# Altium PCB SD卡.PcbDoc
Units mil, origin at the board's own origin, x right, y up, seen from the top; angles counter-clockwise.
Board outline 1775 x 1385 mil, 2 copper layers (Top Layer, Bottom Layer); 10 components, 9 nets, 43 pads, 4 vias.
Unrouted connection lines stored in the file: 1.
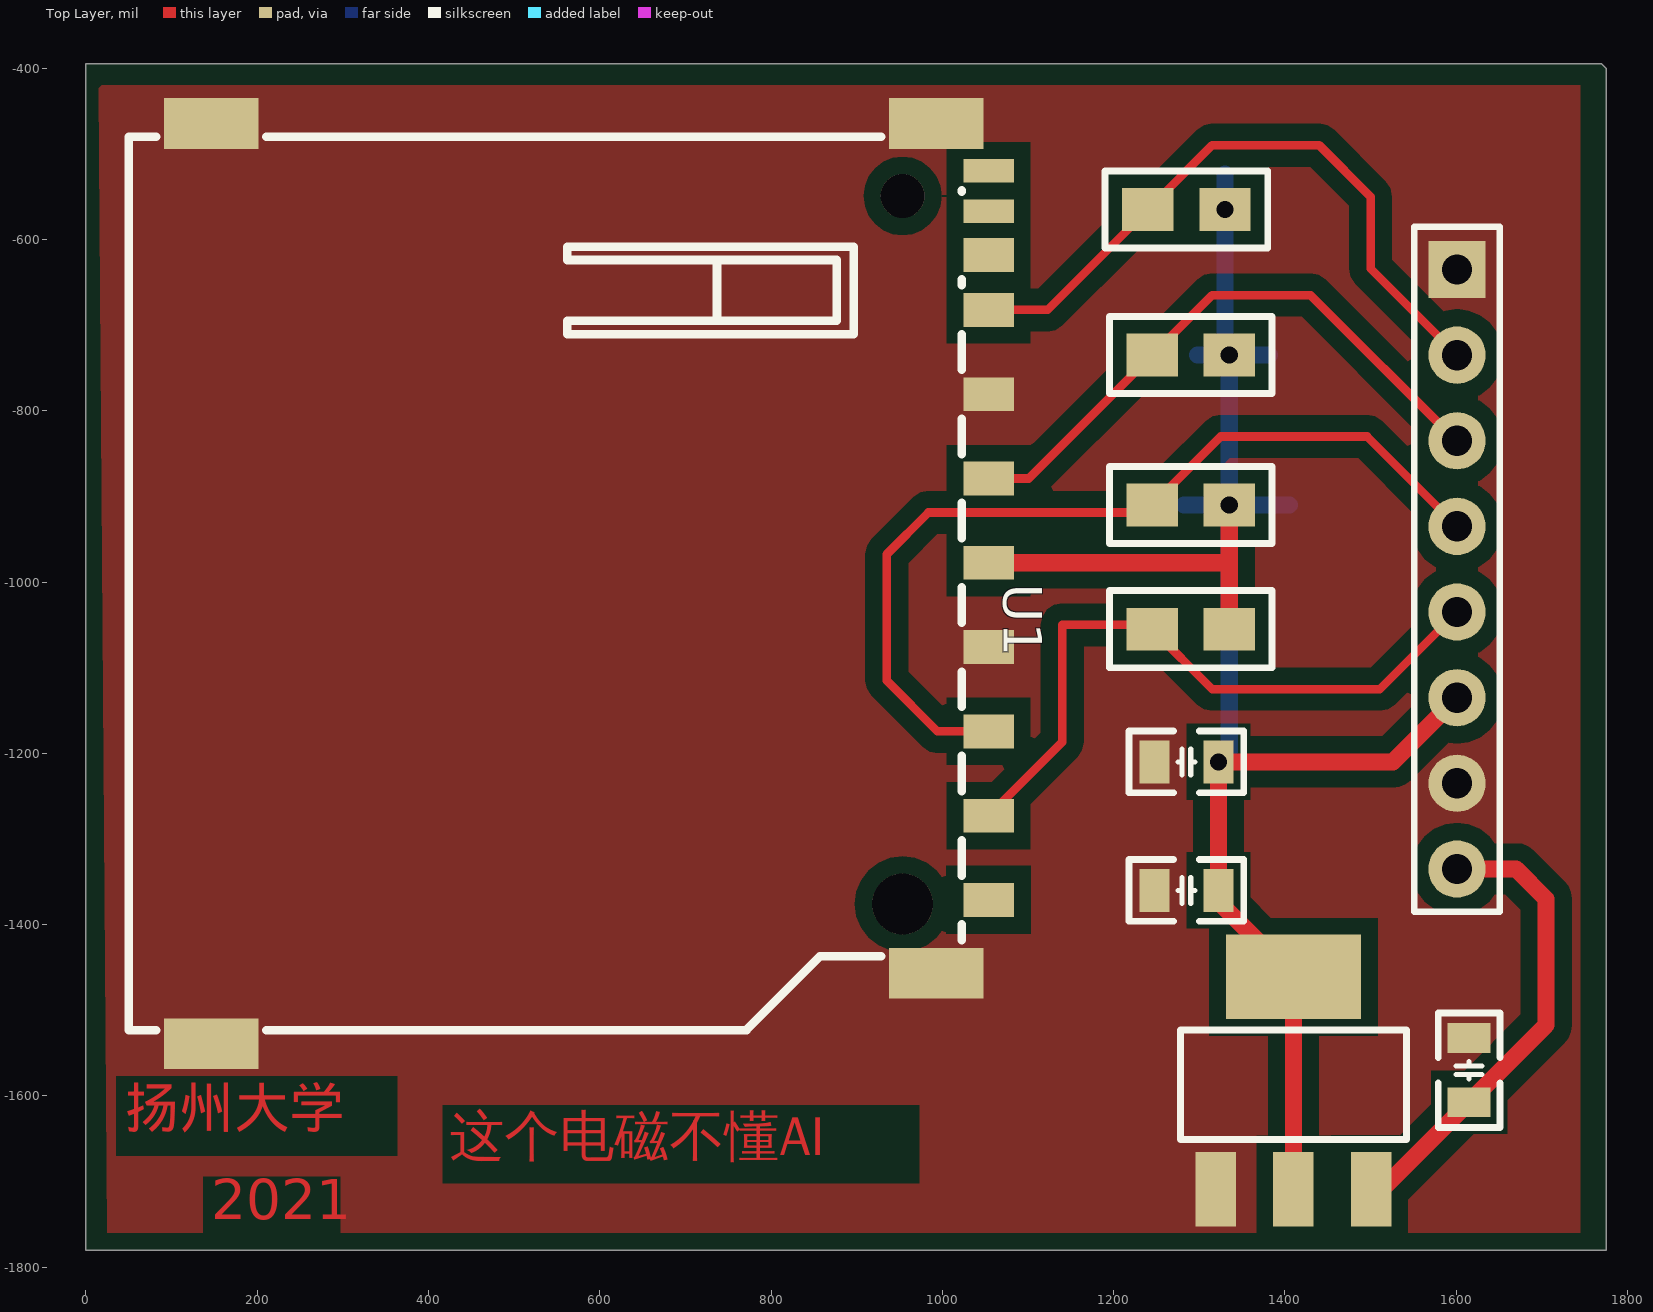
[diagram p0: Top Layer view]
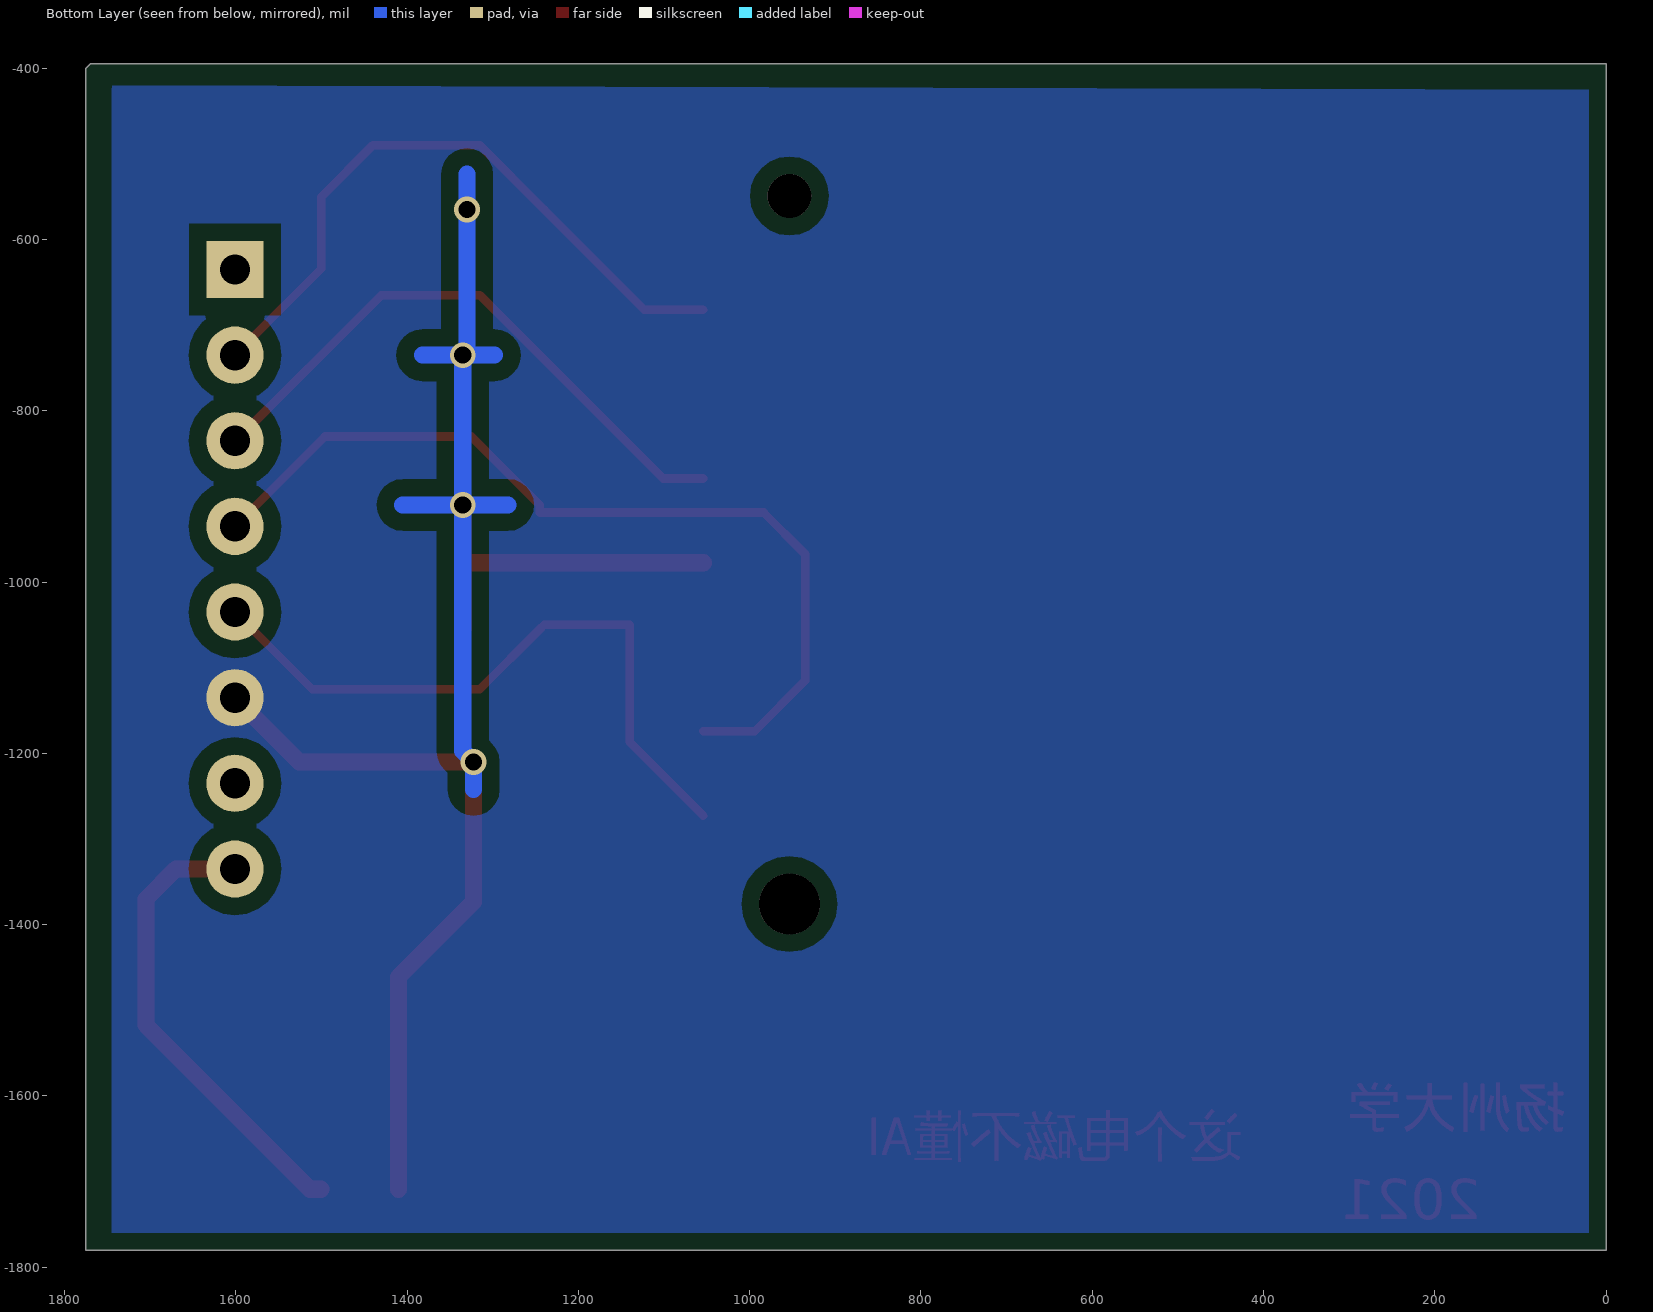
[diagram p1: Bottom Layer view, seen from below]

## Layer stack, top to bottom
Top Solder: solder mask 0.4, Solder Resist, Dk 3.5
Top Layer: signal copper 1.4
Dielectric 1: dielectric 12.6, FR-4, Dk 4.8
Bottom Layer: signal copper 1.4
Bottom Solder: solder mask 0.4, Solder Resist, Dk 3.5

## Board outline
0,-1780 1775,-1780 1775,-400 1770,-395 0,-395

## Design rules (kind name [scope] priority, off if disabled: settings)
Clearance [All] p1: gap=10 ignorepadtopadclearanceinfootprint=FALSE except(0: Arc-Hole Track-Hole SMDPad-Hole THPad-Hole Via-Hole Fill-Hole Poly-Hole Region-Hole Text-Hole; 20: Arc-Poly Track-Poly SMDPad-Poly THPad-Poly Via-Poly Fill-Poly Poly-Poly)
PlaneConnect [All] p1: planeconnectstyle=Direct reliefexpansion=20 reliefentries=4 reliefconductorwidth=10 reliefairgap=10
PolygonConnect [All] p1: connectstyle=Direct reliefconductorwidth=10 reliefentries=4 polygonreliefangle="90 Angle" airgapwidth=10
RoutingVias [All] p1: holewidth=28 width=50 viastyle="Through Hole" minholewidth=28 minwidth=50 maxholewidth=28 maxwidth=50
SolderMaskExpansion [All] p1: expansion=4
Width [All] p1: maxlimit=30 minlimit=10 preferedwidth=10 minimp=50.000000 maximp=50.000000 favimp=50.000000
29 further rules are at their usual default settings.

## Components (designator, comment, footprint, x,y, rotation, side; value= is the part's Value field where it differs from the comment)
U1 "SD-SMD_SD-002" SD-SMD_SD-002 600.2,-1001.93 r270 top
? "Comment" AMS1117 1410,-1585 r0 top
? "Comment" "C 0805_L"#1 1615,-1570 r90 top
? "Comment" "C 0805_L"#2 1285,-1360 r0 top
? "Comment" "C 0805_L"#2 1285,-1210 r0 top
? "Comment" 0805R 1245,-1055 r0 top
? "Comment" 0805R 1245,-910 r0 top
? "Comment" 0805R 1245,-735 r0 top
? "Comment" 0805R 1240,-565 r0 top
? "Comment" HDR2.54-LI-8P 1600.98,-985 r270 top

## Footprints (in the part's own frame and the unit in brackets; to place one, negate y for a bottom-side part, rotate by r counter-clockwise, add the part's x,y. Pads: shape width x height; smd on the part's side, far side on the other; paste and mask are expansions set on the pad)
0805R [mil]
  rect 60x50 smd: 1(0,0) 2(90,0)
  silkscreen extent -50,-45 140,45, body extent 5,-25 83,25, height 22
AMS1117 [mm]
  rect 1.2x2.2 smd: 1(-2.3,-3.15) 2(0,-3.15) 3(2.3,-3.15)
  rect 4x2.5 smd: 4(0,3.15)
  silkscreen extent -3.35,-1.67 3.35,1.58, body extent -3.28,-3.66 3.22,3.3, height 1.7
"C 0805_L"#1 [mil] "无极性贴片电容"
  rect 35x50 smd: 2(37.4,0) 3(-37.4,0)
  silkscreen extent -67,-36 67,36, body extent -39,-24 39,24, height 20
"C 0805_L"#2 [mil] "无极性贴片电容"
  rect 35x50 smd: 1(-37.4,0) 2(37.4,0)
  silkscreen extent -67,-36 67,36, body extent -39,-24 39,24, height 20
HDR2.54-LI-8P [mm] "排针，8脚"
  rect 1.7x1.7 hole 0.9: 1(-8.89,0)
  round 1.7 hole 0.9: 2(-6.35,0) 3(-3.81,0) 4(-1.27,0) 5(1.27,0) 6(3.81,0) 7(6.35,0) 8(8.89,0)
  silkscreen extent -10.16,-1.27 10.16,1.27, body extent -10.16,-1.27 10.16,1.27, height 8.5
SD-SMD_SD-002 [mm]
  rect 1x1.5 smd: 1(6.88,11.525) 2(4.38,11.525) 3(1.88,11.525) 4(-0.62,11.525) 5(-3.12,11.525) 6(-5.62,11.525) 7(-8.12,11.525) 8(-9.75,11.525) 9(9.38,11.525)
  rect 0.7x1.5 smd: 10(-12.25,11.525) 11(-11.05,11.525)
  rect 1.5x2.8 smd: 12(-13.65,9.975) 12(-13.65,-11.525) 12(11.55,9.975) 12(13.65,-11.525)
  round 1.3 hole 1.3 unplated: ""(-11.5,8.975)
  round 1.8 hole 1.8 unplated: ""(9.5,8.975)
  silkscreen extent -13.25,-13.98 13.25,10.72

## Via types
v1: diameter 30, hole 20, Top Layer to Bottom Layer, 4 vias

## Nets (pads, with @x,y where several pads share a name; then routed paths per layer and width w, separated by ;. In a path a pad name is that pad's centre, name@x,y a point inside that pad or via, vN(x,y) a via of type N, cw(c..) or ccw(c..) an arc to the next point about the centre after c; other vN are vias at no path point)
1: ?.1@1245,-1055 ?.5 U1.1 | length 787.8
  Top Layer w10: U1.1 1140,-1186.73 1140,-1050 1240,-1050 1245,-1055 1315,-1125 1510.98,-1125 ?.5
2: ?.2@1322.4,-1210 ?.2@1322.4,-1360 ?.2@1330,-565 ?.2@1335,-735 ?.2@1335,-910 ?.2@1335,-1055 ?.2@1410,-1709.02 ?.4@1410,-1460.98 ?.6 U1.4 | length 2201.7
  Top Layer w20: U1.4 1332.48,-977.52 ; ?.2@1335,-1055 v1(1335,-910) ; ?.2@1410,-1709.02 1410,-1460.98 1322.4,-1373.38 1322.4,-1360 v1(1322.4,-1210) 1525.98,-1210 ?.6
  Bottom Layer w20: 1282.12,-910 v1(1335,-910) ; 1297.8,-735 v1(1335,-735) ; 1322.4,-1242.4 v1(1322.4,-1210) 1335,-1197.4 v1(1335,-910) ; 1330,-523.79 v1(1330,-565) 1330,-730 v1(1335,-735) ; 1382.2,-735 v1(1335,-735) ; 1405,-910 v1(1335,-910) ; v1(1335,-910) v1(1335,-735)
3: ?.3@1500.55,-1709.02 ?.3@1615,-1607.4 ?.8 | length 549.7
  Top Layer w20: ?.3@1500.55,-1709.02 1513.39,-1709.02 1615,-1607.4 1705,-1517.41 1705,-1370 1670,-1335 ?.8
4: ?.1@1245,-910 ?.4@1600.98,-935 U1.2 | length 1062.6
  Top Layer w10: U1.2 994.37,-1174.37 935,-1115 935,-967.52 983.74,-918.78 1245,-918.78 1245,-910 1325,-830 1495.98,-830 ?.4@1600.98,-935
5: ?.1@1245,-735 ?.3@1600.98,-835 U1.5 | length 706.1
  Top Layer w10: U1.5 1100.91,-879.09 1245,-735 1315,-665 1430,-665 1600,-835 ?.3@1600.98,-835
6: ?.1@1240,-565 ?.2@1600.98,-735 U1.7 | length 777.4
  Top Layer w10: U1.7 1122.76,-682.24 1240,-565 1315,-490 1440,-490 1500,-550 1500,-634.02 ?.2@1600.98,-735
7: 
8: 
GND: ?.1@1247.6,-1210 ?.1@1247.6,-1360 ?.1@1319.45,-1709.02 ?.1@1600.98,-635 ?.2@1615,-1532.6 ?.7 U1.3 U1.6 U1.12
pads on no net: U1. U1.8 U1.9 U1.10 U1.11

## Polygon pours and split planes (outlines as drawn)
GND on Top Layer "Top Layer-GND" (solid, pour order 0): 15,-420 1745,-420 1745,-1760 25,-1760
2 on Bottom Layer "Bottom Layer-2" (solid, pour order 2): 20,-425 20,-1760 1745,-1760 1745,-425 1750,-420

## Other copper
Top Layer:
  text "扬州大学" at 45.15,-1652.4 h80
  text "这个电磁不懂AI" at 425,-1685 h80
  text "2021" at 146.46,-1760 h80

## Silkscreen, mask and mechanical layers (free items; w line width, h text height)
Mechanical 13:
  lines w10: 1770,-395 0,-395 0,-441.42 0,-1780 1775,-1780 1775,-400 ; 2435,10 2445,10
Mechanical 15:
  lines w0.1: 579.72,-1000.93 581.72,-1002.93